# Altium PCB RPlan_LB.PcbDoc (part 3 of 5) (continued)
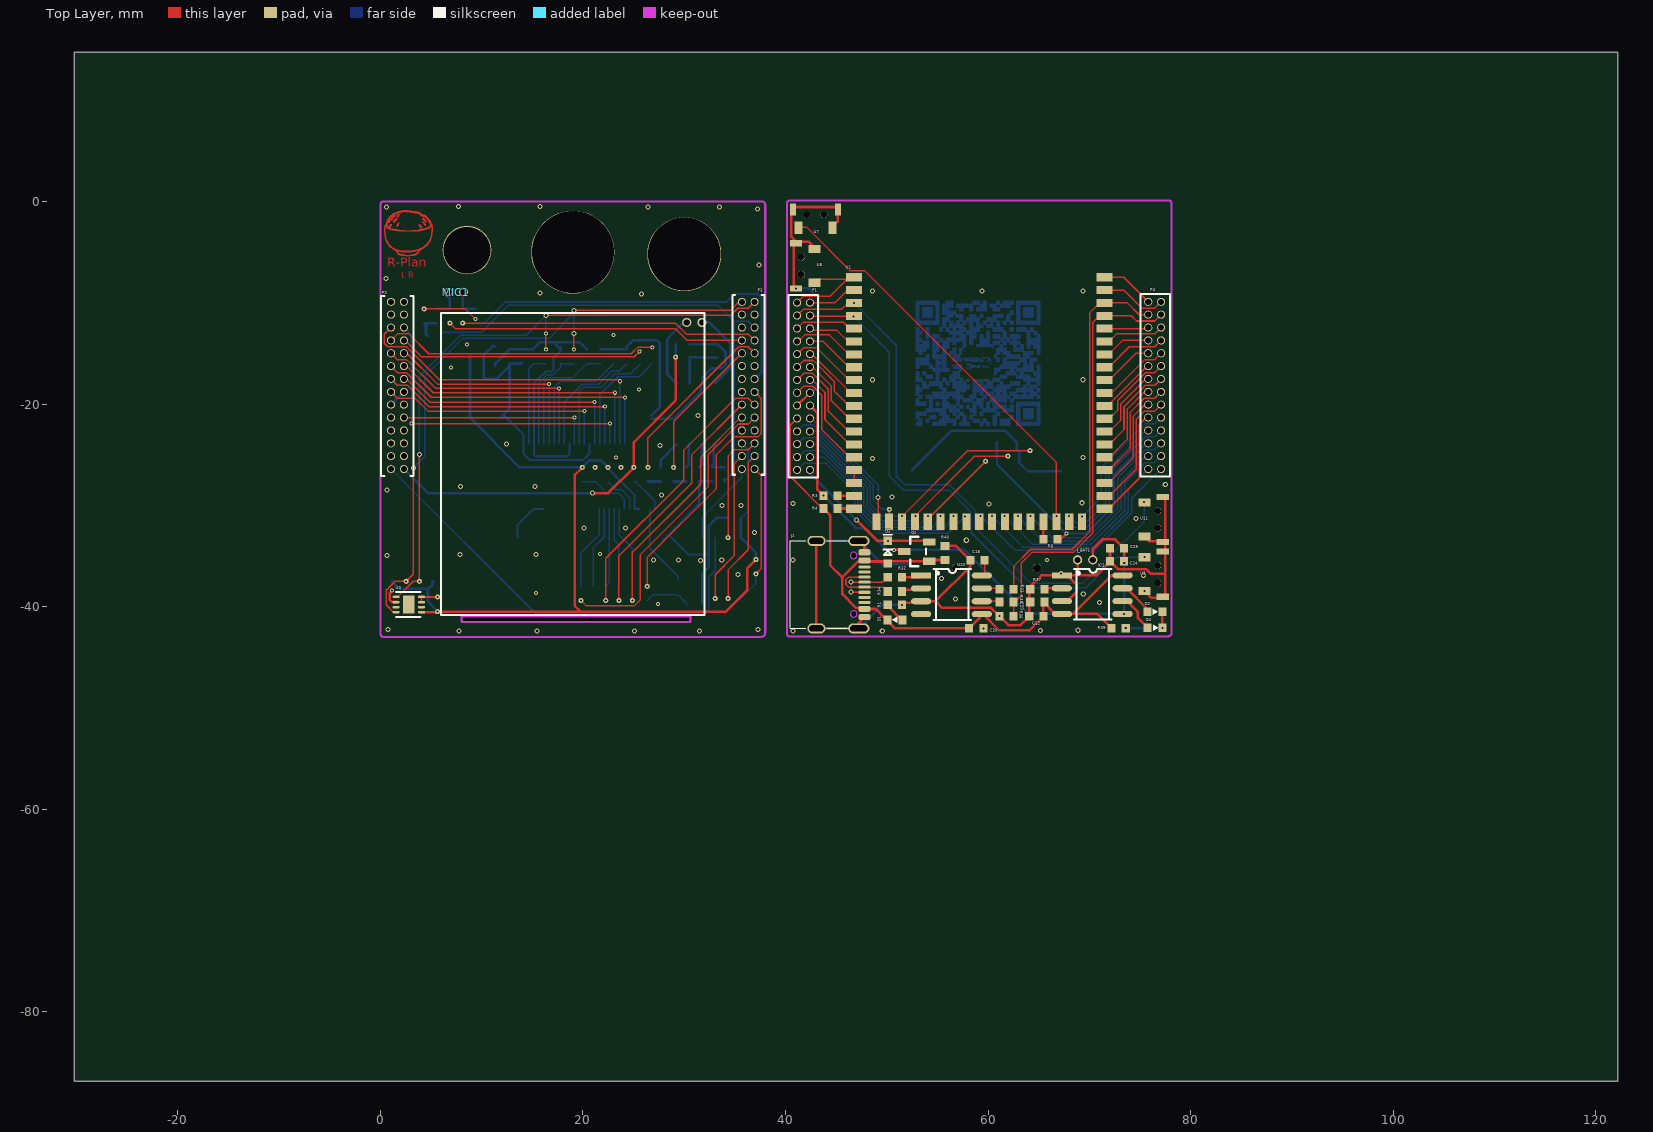
[diagram p0: Top Layer view]
## Nets (pads, with @x,y where several pads share a name; then routed paths per layer and width w, separated by ;. In a path a pad name is that pad's centre, name@x,y a point inside that pad or via, vN(x,y) a via of type N, cw(c..) or ccw(c..) an arc to the next point about the centre after c; other vN are vias at no path point) (continued)
; 54.185,-20.135 54.516,-20.135 ; 54.185,-20.109 54.516,-20.109 ; 54.185,-20.084 54.516,-20.084 ; 54.185,-20.058 54.516,-20.058 ; 54.185,-20.033 54.516,-20.033 ; 54.185,-20.008 54.516,-20.008 ; 54.185,-19.982 54.516,-19.982 ; 54.185,-19.957 54.516,-19.957 ; 54.185,-19.931 54.516,-19.931 ; 54.185,-19.906 54.516,-19.906 ; 54.185,-19.881 54.516,-19.881 ; 54.185,-19.855 54.516,-19.855 ; 54.185,-19.83 54.516,-19.83 ; 54.185,-19.804 54.516,-19.804 ; 54.185,-19.779 54.516,-19.779 ; 54.185,-19.754 54.516,-19.754 ; 54.185,-19.728 54.516,-19.728 ; 54.185,-19.703 54.516,-19.703 ; 54.185,-19.677 54.516,-19.677 ; 54.185,-19.652 54.516,-19.652 ; 54.185,-19.627 54.516,-19.627 ; 54.185,-19.601 54.516,-19.601 ; 54.185,-19.576 54.516,-19.576 ; 54.185,-19.55 54.516,-19.55 ; 54.185,-19.525 54.516,-19.525 ; 54.185,-19.5 54.516,-19.5 ; 54.185,-19.474 54.516,-19.474 ; 54.185,-18.077 55.506,-18.077 ; 54.185,-18.052 55.506,-18.052 ; 54.185,-18.026 55.506,-18.026 ; 54.185,-18.001 55.506,-18.001 ; 54.185,-17.976 55.506,-17.976 ; 54.185,-17.95 55.506,-17.95 ; 54.185,-17.925 55.506,-17.925 ; 54.185,-17.899 55.506,-17.899 ; 54.185,-17.874 55.506,-17.874 ; 54.185,-17.849 55.506,-17.849 ; 54.185,-17.823 55.506,-17.823 ; 54.185,-17.798 55.506,-17.798 ; 54.185,-17.772 58.173,-17.772 ; 54.185,-16.452 56.192,-16.452 ; 54.185,-16.426 56.192,-16.426 ; 54.185,-16.401 54.516,-16.401 ; 54.185,-16.375 54.516,-16.375 ; 54.185,-16.35 54.516,-16.35 ; 54.185,-16.325 54.516,-16.325 ; 54.185,-16.299 54.516,-16.299 ; 54.185,-16.274 54.516,-16.274 ; 54.185,-16.248 54.516,-16.248 ; 54.185,-16.223 54.516,-16.223 ; 54.185,-16.198 54.516,-16.198 ; 54.185,-16.172 54.516,-16.172 ; 54.185,-16.147 54.516,-16.147 ; 54.185,-16.121 54.516,-16.121 ; 54.49,-22.09 55.862,-22.09 ; 54.49,-22.065 55.862,-22.065 ; 54.49,-22.04 55.862,-22.04 ; 54.49,-22.014 55.862,-22.014 ; 54.49,-21.989 55.862,-21.989 ; 54.49,-21.963 55.862,-21.963 ; 54.49,-21.938 55.862,-21.938 ; 54.49,-21.913 55.862,-21.913 ; 54.49,-21.887 55.862,-21.887 ; 54.49,-21.862 55.862,-21.862 ; 54.49,-21.836 55.862,-21.836 ; 54.49,-21.811 55.862,-21.811 ; 54.49,-21.786 56.852,-21.786 ; 54.49,-21.76 56.852,-21.76 ; 54.49,-19.068 57.183,-19.068 ; 54.49,-19.042 57.183,-19.042 ; 54.49,-19.017 57.183,-19.017 ; 54.49,-18.992 57.183,-18.992 ; 54.49,-18.966 57.183,-18.966 ; 54.49,-18.941 57.183,-18.941 ; 54.49,-18.915 57.183,-18.915 ; 54.49,-18.89 57.183,-18.89 ; 54.49,-18.865 57.183,-18.865 ; 54.49,-18.839 57.183,-18.839 ; 54.49,-18.814 57.183,-18.814 ; 54.49,-18.788 57.183,-18.788 ; 54.49,-16.756 56.192,-16.756 ; 54.49,-16.731 56.192,-16.731 ; 54.49,-16.706 56.192,-16.706 ; 54.49,-16.68 56.192,-16.68 ; 54.49,-16.655 56.192,-16.655 ; 54.49,-16.629 56.192,-16.629 ; 54.49,-16.604 56.192,-16.604 ; 54.49,-16.579 56.192,-16.579 ; 54.49,-16.553 56.192,-16.553 ; 54.49,-16.528 56.192,-16.528 ; 54.49,-16.502 56.192,-16.502 ; 54.49,-16.477 56.192,-16.477 ; 54.49,-15.41 55.862,-15.41 ; 54.49,-15.385 55.862,-15.385 ; 54.49,-15.359 55.862,-15.359 ; 54.49,-15.334 55.862,-15.334 ; 54.49,-15.309 55.862,-15.309 ; 54.49,-15.283 55.862,-15.283 ; 54.49,-15.258 55.862,-15.258 ; 54.49,-15.232 55.862,-15.232 ; 54.49,-15.207 55.862,-15.207 ; 54.49,-15.182 55.862,-15.182 ; 54.49,-15.156 55.862,-15.156 ; 54.49,-15.131 55.862,-15.131 ; 54.49,-15.105 55.862,-15.105 ; 54.49,-15.08 54.871,-15.08 ; 54.49,-15.055 54.871,-15.055 ; 54.49,-15.029 54.871,-15.029 ; 54.49,-15.004 54.871,-15.004 ; 54.49,-14.978 54.871,-14.978 ; 54.49,-14.953 54.871,-14.953 ; 54.49,-14.928 54.871,-14.928 ; 54.49,-14.902 54.871,-14.902 ; 54.49,-14.877 54.871,-14.877 ; 54.49,-14.851 54.871,-14.851 ; 54.49,-14.826 54.871,-14.826 ; 54.49,-14.801 54.871,-14.801 ; 54.49,-14.775 55.201,-14.775 ; 54.49,-14.75 55.201,-14.75 ; 54.49,-14.724 55.201,-14.724 ; 54.49,-14.699 55.201,-14.699 ; 54.49,-14.674 55.201,-14.674 ; 54.49,-14.648 55.201,-14.648 ; 54.49,-14.623 55.201,-14.623 ; 54.49,-14.597 55.201,-14.597 ; 54.49,-14.572 55.201,-14.572 ; 54.49,-14.547 55.201,-14.547 ; 54.49,-14.521 55.201,-14.521 ; 54.49,-14.496 55.201,-14.496 ; 54.49,-14.47 55.201,-14.47 ; 54.49,-14.445 55.201,-14.445 ; 54.49,-14.42 55.201,-14.42 ; 54.49,-14.394 55.201,-14.394 ; 54.49,-14.369 55.201,-14.369 ; 54.49,-14.343 55.201,-14.343 ; 54.49,-14.318 55.201,-14.318 ; 54.49,-14.293 55.201,-14.293 ; 54.49,-14.267 55.201,-14.267 ; 54.49,-14.242 55.201,-14.242 ; 54.49,-14.216 55.201,-14.216 ; 54.49,-14.191 55.201,-14.191 ; 54.49,-14.166 55.201,-14.166 ; 54.49,-14.14 55.201,-14.14 ; 54.49,-14.115 55.201,-14.115 ; 54.49,-14.089 55.201,-14.089 ; 54.49,-14.064 55.201,-14.064 ; 54.49,-14.039 55.201,-14.039 ; 54.49,-14.013 55.201,-14.013 ; 54.49,-13.988 55.201,-13.988 ; 54.49,-13.962 55.201,-13.962 ; 54.49,-13.937 55.201,-13.937 ; 54.49,-13.912 55.201,-13.912 ; 54.49,-13.886 55.201,-13.886 ; 54.49,-13.861 55.201,-13.861 ; 54.49,-13.835 55.201,-13.835 ; 54.49,-13.81 55.201,-13.81 ; 54.49,-13.785 54.897,-13.785 ; 54.49,-13.759 54.897,-13.759 ; 54.49,-13.734 54.871,-13.734 ; 54.49,-13.708 54.871,-13.708 ; 54.49,-13.683 54.871,-13.683 ; 54.49,-13.658 54.871,-13.658 ; 54.49,-13.632 54.871,-13.632 ; 54.49,-13.607 54.871,-13.607 ; 54.49,-13.581 54.871,-13.581 ; 54.49,-13.556 54.871,-13.556 ; 54.49,-13.531 54.871,-13.531 ; 54.49,-13.505 54.871,-13.505 ; 54.49,-13.48 55.506,-13.48 ; 54.49,-13.454 55.506,-13.454 ; 54.49,-13.429 55.201,-13.429 ; 54.49,-13.404 55.201,-13.404 ; 54.49,-13.378 55.201,-13.378 ; 54.49,-13.353 55.201,-13.353 ; 54.49,-13.327 55.201,-13.327 ; 54.49,-13.302 55.201,-13.302 ; 54.49,-13.277 55.201,-13.277 ; 54.49,-13.251 55.201,-13.251 ; 54.49,-13.226 55.201,-13.226 ; 54.49,-13.2 55.201,-13.2 ; 54.49,-13.175 55.201,-13.175 ; 54.49,-13.15 55.201,-13.15 ; 54.49,-13.124 55.201,-13.124 ; 54.516,-18.763 57.843,-18.763 ; 54.516,-16.782 56.192,-16.782 ; 54.516,-15.461 55.862,-15.461 ; 54.516,-15.436 55.862,-15.436 ; 54.82,-20.109 55.201,-20.109 ; 54.82,-20.084 55.201,-20.084 ; 54.82,-20.058 55.201,-20.058 ; 54.82,-20.033 55.201,-20.033 ; 54.82,-20.008 55.201,-20.008 ; 54.82,-19.982 55.201,-19.982 ; 54.82,-19.957 55.201,-19.957 ; 54.82,-19.931 55.201,-19.931 ; 54.82,-19.906 55.201,-19.906 ; 54.82,-19.881 55.201,-19.881 ; 54.82,-19.855 55.201,-19.855 ; 54.82,-19.83 55.201,-19.83 ; 54.82,-19.804 55.201,-19.804 ; 54.82,-19.779 55.201,-19.779 ; 54.82,-19.754 55.176,-19.754 ; 54.82,-17.747 55.201,-17.747 ; 54.82,-17.722 55.201,-17.722 ; 54.82,-17.696 55.201,-17.696 ; 54.82,-17.671 55.201,-17.671 ; 54.82,-17.645 55.201,-17.645 ; 54.82,-17.62 55.201,-17.62 ; 54.82,-17.595 55.201,-17.595 ; 54.82,-17.569 55.201,-17.569 ; 54.82,-17.544 55.201,-17.544 ; 54.82,-17.518 55.201,-17.518 ; 54.82,-17.493 55.201,-17.493 ; 54.82,-17.468 55.201,-17.468 ; 54.82,-17.442 55.201,-17.442 ; 54.82,-17.417 55.201,-17.417 ; 54.82,-17.391 55.201,-17.391 ; 54.82,-17.366 55.201,-17.366 ; 54.82,-17.341 55.201,-17.341 ; 54.82,-17.315 55.201,-17.315 ; 54.82,-17.29 55.201,-17.29 ; 54.82,-17.264 55.201,-17.264 ; 54.82,-17.239 55.201,-17.239 ; 54.82,-17.214 55.201,-17.214 ; 54.82,-17.188 55.201,-17.188 ; 54.82,-17.163 55.201,-17.163 ; 54.82,-17.137 55.201,-17.137 ; 54.82,-17.112 55.201,-17.112 ; 54.82,-17.087 55.201,-17.087 ; 54.82,-17.061 55.201,-17.061 ; 54.82,-17.036 55.201,-17.036 ; 54.82,-17.01 55.201,-17.01 ; 54.82,-16.985 55.201,-16.985 ; 54.82,-16.96 55.201,-16.96 ; 54.82,-16.934 55.201,-16.934 ; 54.82,-16.909 55.201,-16.909 ; 54.82,-16.883 55.201,-16.883 ; 54.82,-16.858 55.201,-16.858 ; 54.82,-16.833 55.201,-16.833 ; 54.82,-16.807 55.201,-16.807 ; 54.82,-16.401 55.201,-16.401 ; 54.82,-16.375 55.201,-16.375 ; 54.82,-16.35 55.201,-16.35 ; 54.82,-16.325 55.201,-16.325 ; 54.82,-16.299 55.201,-16.299 ; 54.82,-16.274 55.201,-16.274 ; 54.82,-16.248 55.201,-16.248 ; 54.82,-16.223 55.201,-16.223 ; 54.82,-16.198 55.201,-16.198 ; 54.82,-16.172 55.201,-16.172 ; 54.82,-16.147 55.201,-16.147 ; 54.82,-16.121 55.201,-16.121 ; 54.82,-16.096 55.862,-16.096 ; 54.82,-16.071 55.862,-16.071 ; 54.82,-16.045 55.862,-16.045 ; 54.82,-16.02 55.862,-16.02 ; 54.82,-15.994 55.862,-15.994 ; 54.82,-15.969 55.862,-15.969 ; 54.82,-15.944 55.862,-15.944 ; 54.82,-15.918 55.862,-15.918 ; 54.82,-15.893 55.862,-15.893 ; 54.82,-15.867 55.862,-15.867 ; 54.82,-15.842 55.862,-15.842 ; 54.82,-15.817 55.862,-15.817 ; 54.82,-15.791 55.862,-15.791 ; 54.82,-15.766 55.201,-15.766 ; 54.82,-15.74 55.201,-15.74 ; 54.82,-15.715 55.201,-15.715 ; 54.82,-15.69 55.201,-15.69 ; 54.82,-15.664 55.201,-15.664 ; 54.82,-15.639 55.201,-15.639 ; 54.82,-15.613 55.201,-15.613 ; 54.82,-15.588 55.201,-15.588 ; 54.82,-15.563 55.201,-15.563 ; 54.82,-15.537 55.201,-15.537 ; 54.82,-15.512 55.201,-15.512 ; 54.82,-15.486 55.201,-15.486 ; 54.82,-11.753 55.201,-11.753 ; 54.82,-11.727 55.201,-11.727 ; 54.82,-11.702 55.201,-11.702 ; 54.82,-11.676 55.201,-11.676 ; 54.82,-11.651 55.201,-11.651 ; 54.82,-11.626 55.201,-11.626 ; 54.82,-11.6 55.201,-11.6 ; 54.82,-11.575 55.201,-11.575 ; 54.82,-11.549 55.201,-11.549 ; 54.82,-11.524 55.201,-11.524 ; 54.82,-11.499 55.201,-11.499 ; 54.82,-11.473 55.201,-11.473 ; 54.82,-11.448 55.201,-11.448 ; 54.82,-11.422 55.201,-11.422 ; 54.82,-11.397 55.201,-11.397 ; 54.82,-11.372 55.201,-11.372 ; 54.82,-11.346 55.201,-11.346 ; 54.82,-11.321 55.201,-11.321 ; 54.82,-11.295 55.201,-11.295 ; 54.82,-11.27 55.201,-11.27 ; 54.82,-11.245 55.201,-11.245 ; 54.82,-11.219 55.201,-11.219 ; 54.82,-11.194 55.201,-11.194 ; 54.82,-11.168 55.201,-11.168 ; 54.82,-11.143 55.201,-11.143 ; 54.82,-11.118 55.201,-11.118 ; 54.82,-11.092 55.201,-11.092 ; 54.82,-11.067 55.201,-11.067 ; 54.82,-11.041 55.201,-11.041 ; 54.82,-11.016 55.201,-11.016 ; 54.82,-10.991 55.201,-10.991 ; 54.82,-10.965 55.201,-10.965 ; 54.82,-10.94 55.201,-10.94 ; 54.82,-10.914 55.201,-10.914 ; 54.82,-10.889 55.201,-10.889 ; 54.82,-10.864 55.201,-10.864 ; 54.82,-10.838 55.201,-10.838 ; 54.82,-10.813 55.201,-10.813 ; 54.82,-10.787 55.201,-10.787 ; 54.82,-10.762 55.201,-10.762 ; 54.82,-10.737 55.201,-10.737 ; 54.82,-10.711 55.201,-10.711 ; 54.82,-10.686 55.201,-10.686 ; 54.82,-10.66 55.201,-10.66 ; 54.82,-10.635 55.201,-10.635 ; 54.82,-10.61 55.201,-10.61 ; 54.82,-10.584 55.201,-10.584 ; 54.82,-10.559 55.201,-10.559 ; 54.82,-10.533 55.201,-10.533 ; 54.82,-10.508 55.201,-10.508 ; 54.82,-10.483 55.201,-10.483 ; 54.82,-10.457 55.201,-10.457 ; 54.82,-10.432 55.201,-10.432 ; 54.82,-10.406 55.201,-10.406 ; 54.82,-10.381 55.201,-10.381 ; 54.82,-10.356 55.201,-10.356 ; 54.82,-10.33 55.201,-10.33 ; 54.82,-10.305 55.201,-10.305 ; 54.82,-10.279 55.201,-10.279 ; 54.82,-10.254 55.201,-10.254 ; 54.82,-10.229 55.201,-10.229 ; 54.82,-10.203 55.201,-10.203 ; 54.82,-10.178 55.201,-10.178 ; 54.82,-10.152 55.201,-10.152 ; 54.973,-13.785 55.049,-13.785 ; 54.973,-13.759 55.049,-13.759 ; 55.1,-13.785 55.125,-13.785 ; 55.1,-13.759 55.125,-13.759 ; 55.176,-21.735 56.852,-21.735 ; 55.176,-21.709 56.852,-21.709 ; 55.176,-21.684 56.852,-21.684 ; 55.176,-21.659 56.852,-21.659 ; 55.176,-21.633 56.852,-21.633 ; 55.176,-21.608 56.852,-21.608 ; 55.176,-21.582 56.852,-21.582 ; 55.176,-21.557 56.852,-21.557 ; 55.176,-21.532 56.852,-21.532 ; 55.176,-21.506 56.852,-21.506 ; 55.176,-21.481 56.852,-21.481 ; 55.176,-21.455 56.852,-21.455 ; 55.176,-21.43 57.183,-21.43 ; 55.176,-21.1 56.192,-21.1 ; 55.176,-21.074 56.192,-21.074 ; 55.176,-21.049 55.862,-21.049 ; 55.176,-21.024 55.862,-21.024 ; 55.176,-20.998 55.862,-20.998 ; 55.176,-20.973 55.862,-20.973 ; 55.176,-20.947 55.862,-20.947 ; 55.176,-20.922 55.862,-20.922 ; 55.176,-20.897 55.862,-20.897 ; 55.176,-20.871 55.862,-20.871 ; 55.176,-20.846 55.862,-20.846 ; 55.176,-20.82 55.862,-20.82 ; 55.176,-20.795 55.862,-20.795 ; 55.176,-20.77 55.862,-20.77 ; 55.176,-18.433 55.862,-18.433 ; 55.176,-18.407 55.862,-18.407 ; 55.176,-18.382 55.506,-18.382 ; 55.176,-18.357 55.506,-18.357 ; 55.176,-18.331 55.506,-18.331 ; 55.176,-18.306 55.506,-18.306 ; 55.176,-18.28 55.506,-18.28 ; 55.176,-18.255 55.506,-18.255 ; 55.176,-18.23 55.506,-18.23 ; 55.176,-18.204 55.506,-18.204 ; 55.176,-18.179 55.506,-18.179 ; 55.176,-18.153 55.506,-18.153 ; 55.176,-13.785 57.843,-13.785 ; 55.176,-13.759 57.843,-13.759 ; 55.176,-13.734 55.506,-13.734 ; 55.176,-13.708 55.506,-13.708 ; 55.176,-13.683 55.506,-13.683 ; 55.176,-13.658 55.506,-13.658 ; 55.176,-13.632 55.506,-13.632 ; 55.176,-13.607 55.506,-13.607 ; 55.176,-13.581 55.506,-13.581 ; 55.176,-13.556 55.506,-13.556 ; 55.176,-13.531 55.506,-13.531 ; 55.176,-13.505 55.506,-13.505 ; 55.176,-12.794 55.506,-12.794 ; 55.176,-12.769 55.506,-12.769 ; 55.176,-12.743 55.506,-12.743 ; 55.176,-12.718 55.506,-12.718 ; 55.176,-12.692 55.506,-12.692 ; 55.176,-12.667 55.506,-12.667 ; 55.176,-12.642 55.506,-12.642 ; 55.176,-12.616 55.506,-12.616 ; 55.176,-12.591 55.506,-12.591 ; 55.176,-12.565 55.506,-12.565 ; 55.176,-12.54 55.506,-12.54 ; 55.176,-12.515 55.506,-12.515 ; 55.176,-12.489 55.506,-12.489 ; 55.176,-12.464 55.506,-12.464 ; 55.176,-12.438 57.843,-12.438 ; 55.481,-21.405 56.192,-21.405 ; 55.481,-21.379 56.192,-21.379 ; 55.481,-21.354 56.192,-21.354 ; 55.481,-21.328 56.192,-21.328 ; 55.481,-21.303 56.192,-21.303 ; 55.481,-21.278 56.192,-21.278 ; 55.481,-21.252 56.192,-21.252 ; 55.481,-21.227 56.192,-21.227 ; 55.481,-21.201 56.192,-21.201 ; 55.481,-21.176 56.192,-21.176 ; 55.481,-21.151 56.192,-21.151 ; 55.481,-21.125 56.192,-21.125 ; 55.481,-20.414 56.852,-20.414 ; 55.481,-20.389 56.852,-20.389 ; 55.481,-20.363 56.852,-20.363 ; 55.481,-20.338 56.852,-20.338 ; 55.481,-20.312 56.852,-20.312 ; 55.481,-20.287 56.852,-20.287 ; 55.481,-20.262 56.852,-20.262 ; 55.481,-20.236 56.852,-20.236 ; 55.481,-20.211 56.852,-20.211 ; 55.481,-20.185 56.852,-20.185 ; 55.481,-20.16 56.852,-20.16 ; 55.481,-20.135 56.852,-20.135 ; 55.481,-20.109 57.538,-20.109 ; 55.481,-20.084 57.538,-20.084 ; 55.481,-20.058 56.192,-20.058 ; 55.481,-20.033 56.192,-20.033 ; 55.481,-20.008 56.192,-20.008 ; 55.481,-19.982 56.192,-19.982 ; 55.481,-19.957 56.192,-19.957 ; 55.481,-19.931 56.192,-19.931 ; 55.481,-19.906 56.192,-19.906 ; 55.481,-19.881 56.192,-19.881 ; 55.481,-19.855 56.192,-19.855 ; 55.481,-19.83 56.192,-19.83 ; 55.481,-19.804 56.192,-19.804 ; 55.481,-19.779 56.192,-19.779 ; 55.481,-19.754 56.167,-19.754 ; 55.481,-19.728 55.862,-19.728 ; 55.481,-19.703 55.862,-19.703 ; 55.481,-19.677 55.862,-19.677 ; 55.481,-19.652 55.862,-19.652 ; 55.481,-19.627 55.862,-19.627 ; 55.481,-19.601 55.862,-19.601 ; 55.481,-19.576 55.862,-19.576 ; 55.481,-19.55 55.862,-19.55 ; 55.481,-19.525 55.862,-19.525 ; 55.481,-19.5 55.862,-19.5 ; 55.481,-19.474 55.862,-19.474 ; 55.481,-18.738 55.862,-18.738 ; 55.481,-18.712 55.862,-18.712 ; 55.481,-18.687 55.862,-18.687 ; 55.481,-18.661 55.862,-18.661 ; 55.481,-18.636 55.862,-18.636 ; 55.481,-18.611 55.862,-18.611 ; 55.481,-18.585 55.862,-18.585 ; 55.481,-18.56 55.862,-18.56 ; 55.481,-18.534 55.862,-18.534 ; 55.481,-18.509 55.862,-18.509 ; 55.481,-18.484 55.862,-18.484 ; 55.481,-18.458 55.862,-18.458 ; 55.481,-17.747 55.862,-17.747 ; 55.481,-17.722 55.862,-17.722 ; 55.481,-17.696 55.862,-17.696 ; 55.481,-17.671 55.862,-17.671 ; 55.481,-17.645 55.862,-17.645 ; 55.481,-17.62 55.862,-17.62 ; 55.481,-17.595 55.862,-17.595 ; 55.481,-17.569 55.862,-17.569 ; 55.481,-17.544 55.862,-17.544 ; 55.481,-17.518 55.862,-17.518 ; 55.481,-17.493 55.862,-17.493 ; 55.481,-17.468 55.862,-17.468 ; 55.481,-16.401 55.862,-16.401 ; 55.481,-16.375 55.862,-16.375 ; 55.481,-16.35 55.862,-16.35 ; 55.481,-16.325 55.862,-16.325 ; 55.481,-16.299 55.862,-16.299 ; 55.481,-16.274 55.862,-16.274 ; 55.481,-16.248 55.862,-16.248 ; 55.481,-16.223 55.862,-16.223 ; 55.481,-16.198 55.862,-16.198 ; 55.481,-16.172 55.862,-16.172 ; 55.481,-16.147 55.862,-16.147 ; 55.481,-16.121 55.862,-16.121 ; 55.481,-15.766 55.862,-15.766 ; 55.481,-15.74 55.862,-15.74 ; 55.481,-15.715 55.862,-15.715 ; 55.481,-15.69 55.862,-15.69 ; 55.481,-15.664 55.862,-15.664 ; 55.481,-15.639 55.862,-15.639 ; 55.481,-15.613 55.862,-15.613 ; 55.481,-15.588 55.862,-15.588 ; 55.481,-15.563 55.862,-15.563 ; 55.481,-15.537 55.862,-15.537 ; 55.481,-15.512 55.862,-15.512 ; 55.481,-15.486 55.862,-15.486 ; 55.481,-15.08 55.862,-15.08 ; 55.481,-15.055 55.862,-15.055 ; 55.481,-15.029 55.862,-15.029 ; 55.481,-15.004 55.862,-15.004 ; 55.481,-14.978 55.862,-14.978 ; 55.481,-14.953 55.862,-14.953 ; 55.481,-14.928 55.862,-14.928 ; 55.481,-14.902 55.862,-14.902 ; 55.481,-14.877 55.862,-14.877 ; 55.481,-14.851 55.862,-14.851 ; 55.481,-14.826 55.862,-14.826 ; 55.481,-14.801 55.862,-14.801 ; 55.481,-14.775 55.862,-14.775 ; 55.481,-14.75 55.862,-14.75 ; 55.481,-14.724 55.862,-14.724 ; 55.481,-14.699 55.862,-14.699 ; 55.481,-14.674 55.862,-14.674 ; 55.481,-14.648 55.862,-14.648 ; 55.481,-14.623 55.862,-14.623 ; 55.481,-14.597 55.862,-14.597 ; 55.481,-14.572 55.862,-14.572 ; 55.481,-14.547 55.862,-14.547 ; 55.481,-14.521 55.862,-14.521 ; 55.481,-14.496 55.862,-14.496 ; 55.481,-14.47 56.167,-14.47 ; 55.481,-14.445 56.167,-14.445 ; 55.481,-14.42 56.192,-14.42 ; 55.481,-14.394 56.192,-14.394 ; 55.481,-14.369 56.192,-14.369 ; 55.481,-14.343 56.192,-14.343 ; 55.481,-14.318 56.192,-14.318 ; 55.481,-14.293 56.192,-14.293 ; 55.481,-14.267 56.192,-14.267 ; 55.481,-14.242 56.192,-14.242 ; 55.481,-14.216 56.192,-14.216 ; 55.481,-14.191 56.192,-14.191 ; 55.481,-14.166 56.192,-14.166 ; 55.481,-14.14 56.192,-14.14 ; 55.481,-14.115 56.192,-14.115 ; 55.481,-14.089 56.192,-14.089 ; 55.481,-14.064 56.192,-14.064 ; 55.481,-14.039 56.192,-14.039 ; 55.481,-14.013 56.192,-14.013 ; 55.481,-13.988 56.192,-13.988 ; 55.481,-13.962 56.192,-13.962 ; 55.481,-13.937 56.192,-13.937 ; 55.481,-13.912 56.192,-13.912 ; 55.481,-13.886 56.192,-13.886 ; 55.481,-13.861 56.192,-13.861 ; 55.481,-13.835 56.192,-13.835 ; 55.481,-13.81 56.192,-13.81 ; 55.481,-12.413 55.862,-12.413 ; 55.481,-12.388 55.862,-12.388 ; 55.481,-12.362 55.862,-12.362 ; 55.481,-12.337 55.862,-12.337 ; 55.481,-12.311 55.862,-12.311 ; 55.481,-12.286 55.862,-12.286 ; 55.481,-12.261 55.862,-12.261 ; 55.481,-12.235 55.862,-12.235 ; 55.481,-12.21 55.862,-12.21 ; 55.481,-12.184 55.862,-12.184 ; 55.481,-12.159 55.862,-12.159 ; 55.481,-12.134 55.862,-12.134 ; 55.481,-12.108 55.862,-12.108 ; 55.481,-12.083 55.862,-12.083 ; 55.481,-12.057 55.862,-12.057 ; 55.481,-12.032 55.862,-12.032 ; 55.481,-12.007 55.862,-12.007 ; 55.481,-11.981 55.862,-11.981 ; 55.481,-11.956 55.862,-11.956 ; 55.481,-11.93 55.862,-11.93 ; 55.481,-11.905 55.862,-11.905 ; 55.481,-11.88 55.862,-11.88 ; 55.481,-11.854 55.862,-11.854 ; 55.481,-11.829 55.862,-11.829 ; 55.481,-11.803 56.548,-11.803 ; 55.481,-11.778 56.548,-11.778 ; 55.481,-11.753 56.192,-11.753 ; 55.481,-11.727 56.192,-11.727 ; 55.481,-11.702 56.192,-11.702 ; 55.481,-11.676 56.192,-11.676 ; 55.481,-11.651 56.192,-11.651 ; 55.481,-11.626 56.192,-11.626 ; 55.481,-11.6 56.192,-11.6 ; 55.481,-11.575 56.192,-11.575 ; 55.481,-11.549 56.192,-11.549 ; 55.481,-11.524 56.192,-11.524 ; 55.481,-11.499 56.192,-11.499 ; 55.481,-11.473 56.192,-11.473 ; 55.481,-11.118 56.852,-11.118 ; 55.481,-11.092 56.852,-11.092 ; 55.481,-11.067 56.852,-11.067 ; 55.481,-11.041 56.852,-11.041 ; 55.481,-11.016 56.852,-11.016 ; 55.481,-10.991 56.852,-10.991 ; 55.481,-10.965 56.852,-10.965 ; 55.481,-10.94 56.852,-10.94 ; 55.481,-10.914 56.852,-10.914 ; 55.481,-10.889 56.852,-10.889 ; 55.481,-10.864 56.852,-10.864 ; 55.481,-10.838 56.852,-10.838 ; 55.481,-10.813 56.852,-10.813 ; 55.481,-10.787 56.852,-10.787 ; 55.481,-10.762 56.192,-10.762 ; 55.481,-10.737 56.192,-10.737 ; 55.481,-10.711 56.192,-10.711 ; 55.481,-10.686 56.192,-10.686 ; 55.481,-10.66 56.192,-10.66 ; 55.481,-10.635 56.192,-10.635 ; 55.481,-10.61 56.192,-10.61 ; 55.481,-10.584 56.192,-10.584 ; 55.481,-10.559 56.192,-10.559 ; 55.481,-10.533 56.192,-10.533 ; 55.481,-10.508 56.192,-10.508 ; 55.481,-10.483 56.192,-10.483 ; 55.481,-10.457 56.548,-10.457 ; 55.481,-10.432 56.548,-10.432 ; 55.481,-10.406 56.548,-10.406 ; 55.481,-10.381 56.548,-10.381 ; 55.481,-10.356 56.548,-10.356 ; 55.481,-10.33 56.548,-10.33 ; 55.481,-10.305 56.548,-10.305 ; 55.481,-10.279 56.548,-10.279 ; 55.481,-10.254 56.548,-10.254 ; 55.481,-10.229 56.548,-10.229 ; 55.481,-10.203 56.548,-10.203 ; 55.481,-10.178 56.548,-10.178 ; 55.481,-10.152 56.548,-10.152 ; 55.506,-17.442 55.862,-17.442 ; 55.506,-17.417 55.862,-17.417 ; 55.506,-11.448 56.548,-11.448 ; 55.506,-10.127 56.548,-10.127 ; 55.506,-10.102 56.548,-10.102 ; 55.811,-18.077 56.192,-18.077 ; 55.811,-18.052 56.192,-18.052 ; 55.811,-18.026 56.192,-18.026 ; 55.811,-18.001 56.192,-18.001 ; 55.811,-17.976 56.192,-17.976 ; 55.811,-17.95 56.192,-17.95 ; 55.811,-17.925 56.192,-17.925 ; 55.811,-17.899 56.192,-17.899 ; 55.811,-17.874 56.192,-17.874 ; 55.811,-17.849 56.192,-17.849 ; 55.811,-17.823 56.192,-17.823 ; 55.811,-17.798 56.192,-17.798 ; 55.811,-13.734 57.843,-13.734 ; 55.811,-13.708 57.843,-13.708 ; 55.811,-13.683 57.843,-13.683 ; 55.811,-13.658 57.843,-13.658 ; 55.811,-13.632 57.843,-13.632 ; 55.811,-13.607 57.843,-13.607 ; 55.811,-13.581 57.843,-13.581 ; 55.811,-13.556 57.843,-13.556 ; 55.811,-13.531 57.843,-13.531 ; 55.811,-13.505 57.843,-13.505 ; 55.811,-13.48 57.843,-13.48 ; 55.811,-13.454 57.843,-13.454 ; 55.811,-12.794 59.164,-12.794 ; 55.811,-12.769 59.164,-12.769 ; 55.811,-12.743 56.192,-12.743 ; 55.811,-12.718 56.192,-12.718 ; 55.811,-12.692 56.192,-12.692 ; 55.811,-12.667 56.192,-12.667 ; 55.811,-12.642 56.192,-12.642 ; 55.811,-12.616 56.192,-12.616 ; 55.811,-12.591 56.192,-12.591 ; 55.811,-12.565 56.192,-12.565 ; 55.811,-12.54 56.192,-12.54 ; 55.811,-12.515 56.192,-12.515 ; 55.811,-12.489 56.192,-12.489 ; 55.811,-12.464 56.192,-12.464 ; 55.811,-11.422 56.548,-11.422 ; 55.811,-11.397 56.548,-11.397 ; 55.811,-11.372 56.548,-11.372 ; 55.811,-11.346 56.548,-11.346 ; 55.811,-11.321 56.548,-11.321 ; 55.811,-11.295 56.548,-11.295 ; 55.811,-11.27 56.548,-11.27 ; 55.811,-11.245 56.548,-11.245 ; 55.811,-11.219 56.548,-11.219 ; 55.811,-11.194 56.548,-11.194 ; 55.811,-11.168 56.548,-11.168 ; 55.811,-11.143 56.548,-11.143 ; 55.811,-10.076 56.548,-10.076 ; 55.811,-10.051 56.548,-10.051 ; 55.811,-10.025 56.548,-10.025 ; 55.811,-10 56.548,-10 ; 55.811,-9.975 56.548,-9.975 ; 55.811,-9.949 56.548,-9.949 ; 55.811,-9.924 56.548,-9.924 ; 55.811,-9.898 56.548,-9.898 ; 55.811,-9.873 56.548,-9.873 ; 55.811,-9.848 56.548,-9.848 ; 55.811,-9.822 56.548,-9.822 ; 55.811,-9.797 56.548,-9.797 ; 55.862,-18.128 55.887,-18.128 ; 55.862,-18.103 55.887,-18.103 ; 56.04,-18.128 56.167,-18.128 ; 56.04,-18.103 56.167,-18.103 ; 56.167,-20.744 57.183,-20.744 ; 56.167,-20.719 57.183,-20.719 ; 56.167,-20.693 57.183,-20.693 ; 56.167,-20.668 57.183,-20.668 ; 56.167,-20.643 57.183,-20.643 ; 56.167,-20.617 57.183,-20.617 ; 56.167,-20.592 57.183,-20.592 ; 56.167,-20.566 57.183,-20.566 ; 56.167,-20.541 57.183,-20.541 ; 56.167,-20.516 57.183,-20.516 ; 56.167,-20.49 57.183,-20.49 ; 56.167,-20.465 57.183,-20.465 ; 56.167,-17.747 56.852,-17.747 ; 56.167,-17.722 56.852,-17.722 ; 56.167,-17.696 56.852,-17.696 ; 56.167,-17.671 56.852,-17.671 ; 56.167,-17.645 56.852,-17.645 ; 56.167,-17.62 56.852,-17.62 ; 56.167,-17.595 56.852,-17.595 ; 56.167,-17.569 56.852,-17.569 ; 56.167,-17.544 56.852,-17.544 ; 56.167,-17.518 56.852,-17.518 ; 56.167,-17.493 56.852,-17.493 ; 56.167,-17.468 56.852,-17.468 ; 56.167,-17.442 57.538,-17.442 ; 56.167,-17.417 57.538,-17.417 ; 56.167,-17.391 57.183,-17.391 ; 56.167,-17.366 57.183,-17.366 ; 56.167,-17.341 57.183,-17.341 ; 56.167,-17.315 57.183,-17.315 ; 56.167,-17.29 57.183,-17.29 ; 56.167,-17.264 57.183,-17.264 ; 56.167,-17.239 57.183,-17.239 ; 56.167,-17.214 57.183,-17.214 ; 56.167,-17.188 57.183,-17.188 ; 56.167,-17.163 57.183,-17.163 ; 56.167,-17.137 57.183,-17.137 ; 56.167,-17.112 57.183,-17.112 ; 56.167,-15.105 57.386,-15.105 ; 56.167,-15.08 56.852,-15.08 ; 56.167,-15.055 56.852,-15.055 ; 56.167,-15.029 56.852,-15.029 ; 56.167,-15.004 56.852,-15.004 ; 56.167,-14.978 56.852,-14.978 ; 56.167,-14.953 56.852,-14.953 ; 56.167,-14.928 56.852,-14.928 ; 56.167,-14.902 56.852,-14.902 ; 56.167,-14.877 56.852,-14.877 ; 56.167,-14.851 56.852,-14.851 ; 56.167,-14.826 56.852,-14.826 ; 56.167,-14.801 56.852,-14.801 ; 56.167,-13.124 58.834,-13.124 ; 56.167,-13.099 57.538,-13.099 ; 56.167,-13.073 57.538,-13.073 ; 56.167,-13.048 57.538,-13.048 ; 56.167,-13.023 57.538,-13.023 ; 56.167,-12.997 57.538,-12.997 ; 56.167,-12.972 57.538,-12.972 ; 56.167,-12.946 57.538,-12.946 ; 56.167,-12.921 57.538,-12.921 ; 56.167,-12.896 57.538,-12.896 ; 56.167,-12.87 57.538,-12.87 ; 56.167,-12.845 57.538,-12.845 ; 56.167,-12.819 57.538,-12.819 ; 56.167,-12.413 57.538,-12.413 ; 56.167,-12.388 57.538,-12.388 ; 56.167,-12.362 57.538,-12.362 ; 56.167,-12.337 57.538,-12.337 ; 56.167,-12.311 57.538,-12.311 ; 56.167,-12.286 57.538,-12.286 ; 56.167,-12.261 57.538,-12.261 ; 56.167,-12.235 57.538,-12.235 ; 56.167,-12.21 57.538,-12.21 ; 56.167,-12.184 57.538,-12.184 ; 56.167,-12.159 57.538,-12.159 ; 56.167,-12.134 57.843,-12.134 ; 56.167,-12.108 56.548,-12.108 ; 56.167,-12.083 56.548,-12.083 ; 56.167,-12.057 56.548,-12.057 ; 56.167,-12.032 56.548,-12.032 ; 56.167,-12.007 56.548,-12.007 ; 56.167,-11.981 56.548,-11.981 ; 56.167,-11.956 56.548,-11.956 ; 56.167,-11.93 56.548,-11.93 ; 56.167,-11.905 56.548,-11.905 ; 56.167,-11.88 56.548,-11.88 ; 56.167,-11.854 56.548,-11.854 ; 56.167,-11.829 56.548,-11.829 ; 56.497,-22.09 56.852,-22.09 ; 56.497,-22.065 56.852,-22.065 ; 56.497,-22.04 56.852,-22.04 ; 56.497,-22.014 56.852,-22.014 ; 56.497,-21.989 56.852,-21.989 ; 56.497,-21.963 56.852,-21.963 ; 56.497,-21.938 56.852,-21.938 ; 56.497,-21.913 56.852,-21.913 ; 56.497,-21.887 56.852,-21.887 ; 56.497,-21.862 56.852,-21.862 ; 56.497,-21.836 56.852,-21.836 ; 56.497,-21.811 56.852,-21.811 ; 56.497,-21.1 57.843,-21.1 ; 56.497,-21.074 57.843,-21.074 ; 56.497,-21.049 56.852,-21.049 ; 56.497,-21.024 56.852,-21.024 ; 56.497,-20.998 56.852,-20.998 ; 56.497,-20.973 56.852,-20.973 ; 56.497,-20.947 56.852,-20.947 ; 56.497,-20.922 56.852,-20.922 ; 56.497,-20.897 56.852,-20.897 ; 56.497,-20.871 56.852,-20.871 ; 56.497,-20.846 56.852,-20.846 ; 56.497,-20.82 56.852,-20.82 ; 56.497,-20.795 56.852,-20.795 ; 56.497,-20.77 56.852,-20.77 ; 56.497,-19.449 59.824,-19.449 ; 56.497,-19.423 57.538,-19.423 ; 56.497,-19.398 57.538,-19.398 ; 56.497,-19.373 57.538,-19.373 ; 56.497,-19.347 57.538,-19.347 ; 56.497,-19.322 57.538,-19.322 ; 56.497,-19.296 57.538,-19.296 ; 56.497,-19.271 57.538,-19.271 ; 56.497,-19.246 57.538,-19.246 ; 56.497,-19.22 57.538,-19.22 ; 56.497,-19.195 57.538,-19.195 ; 56.497,-19.169 57.538,-19.169 ; 56.497,-19.144 57.538,-19.144 ; 56.497,-18.433 58.173,-18.433 ; 56.497,-18.407 58.173,-18.407 ; 56.497,-18.382 58.173,-18.382 ; 56.497,-18.357 58.173,-18.357 ; 56.497,-18.331 58.173,-18.331 ; 56.497,-18.306 58.173,-18.306 ; 56.497,-18.28 58.173,-18.28 ; 56.497,-18.255 58.173,-18.255 ; 56.497,-18.23 58.173,-18.23 ; 56.497,-18.204 58.173,-18.204 ; 56.497,-18.179 58.173,-18.179 ; 56.497,-18.153 58.173,-18.153 ; 56.497,-18.128 58.173,-18.128 ; 56.497,-18.103 58.173,-18.103 ; 56.497,-18.077 57.843,-18.077 ; 56.497,-18.052 57.843,-18.052 ; 56.497,-18.026 57.843,-18.026 ; 56.497,-18.001 57.843,-18.001 ; 56.497,-17.976 57.843,-17.976 ; 56.497,-17.95 57.843,-17.95 ; 56.497,-17.925 57.843,-17.925 ; 56.497,-17.899 57.843,-17.899 ; 56.497,-17.874 57.843,-17.874 ; 56.497,-17.849 57.843,-17.849 ; 56.497,-17.823 57.843,-17.823 ; 56.497,-17.798 57.843,-17.798 ; 56.497,-17.087 57.183,-17.087 ; 56.497,-17.061 57.183,-17.061 ; 56.497,-17.036 57.183,-17.036 ; 56.497,-17.01 57.183,-17.01 ; 56.497,-16.985 57.183,-16.985 ; 56.497,-16.96 57.183,-16.96 ; 56.497,-16.934 57.183,-16.934 ; 56.497,-16.909 57.183,-16.909 ; 56.497,-16.883 57.183,-16.883 ; 56.497,-16.858 57.183,-16.858 ; 56.497,-16.833 57.183,-16.833 ; 56.497,-16.807 57.183,-16.807 ; 56.497,-16.782 57.386,-16.782 ; 56.497,-16.452 57.386,-16.452 ; 56.497,-16.426 57.386,-16.426 ; 56.497,-16.401 57.386,-16.401 ; 56.497,-16.375 57.386,-16.375 ; 56.497,-16.35 57.386,-16.35 ; 56.497,-16.325 57.386,-16.325 ; 56.497,-16.299 57.386,-16.299 ; 56.497,-16.274 57.386,-16.274 ; 56.497,-16.248 57.386,-16.248 ; 56.497,-16.223 57.386,-16.223 ; 56.497,-16.198 57.386,-16.198 ; 56.497,-16.172 57.386,-16.172 ; 56.497,-16.147 57.386,-16.147 ; 56.497,-16.121 57.386,-16.121 ; 56.497,-15.766 57.386,-15.766 ; 56.497,-15.74 57.386,-15.74